# KiCad board board_delta.kicad_pcb (continued)
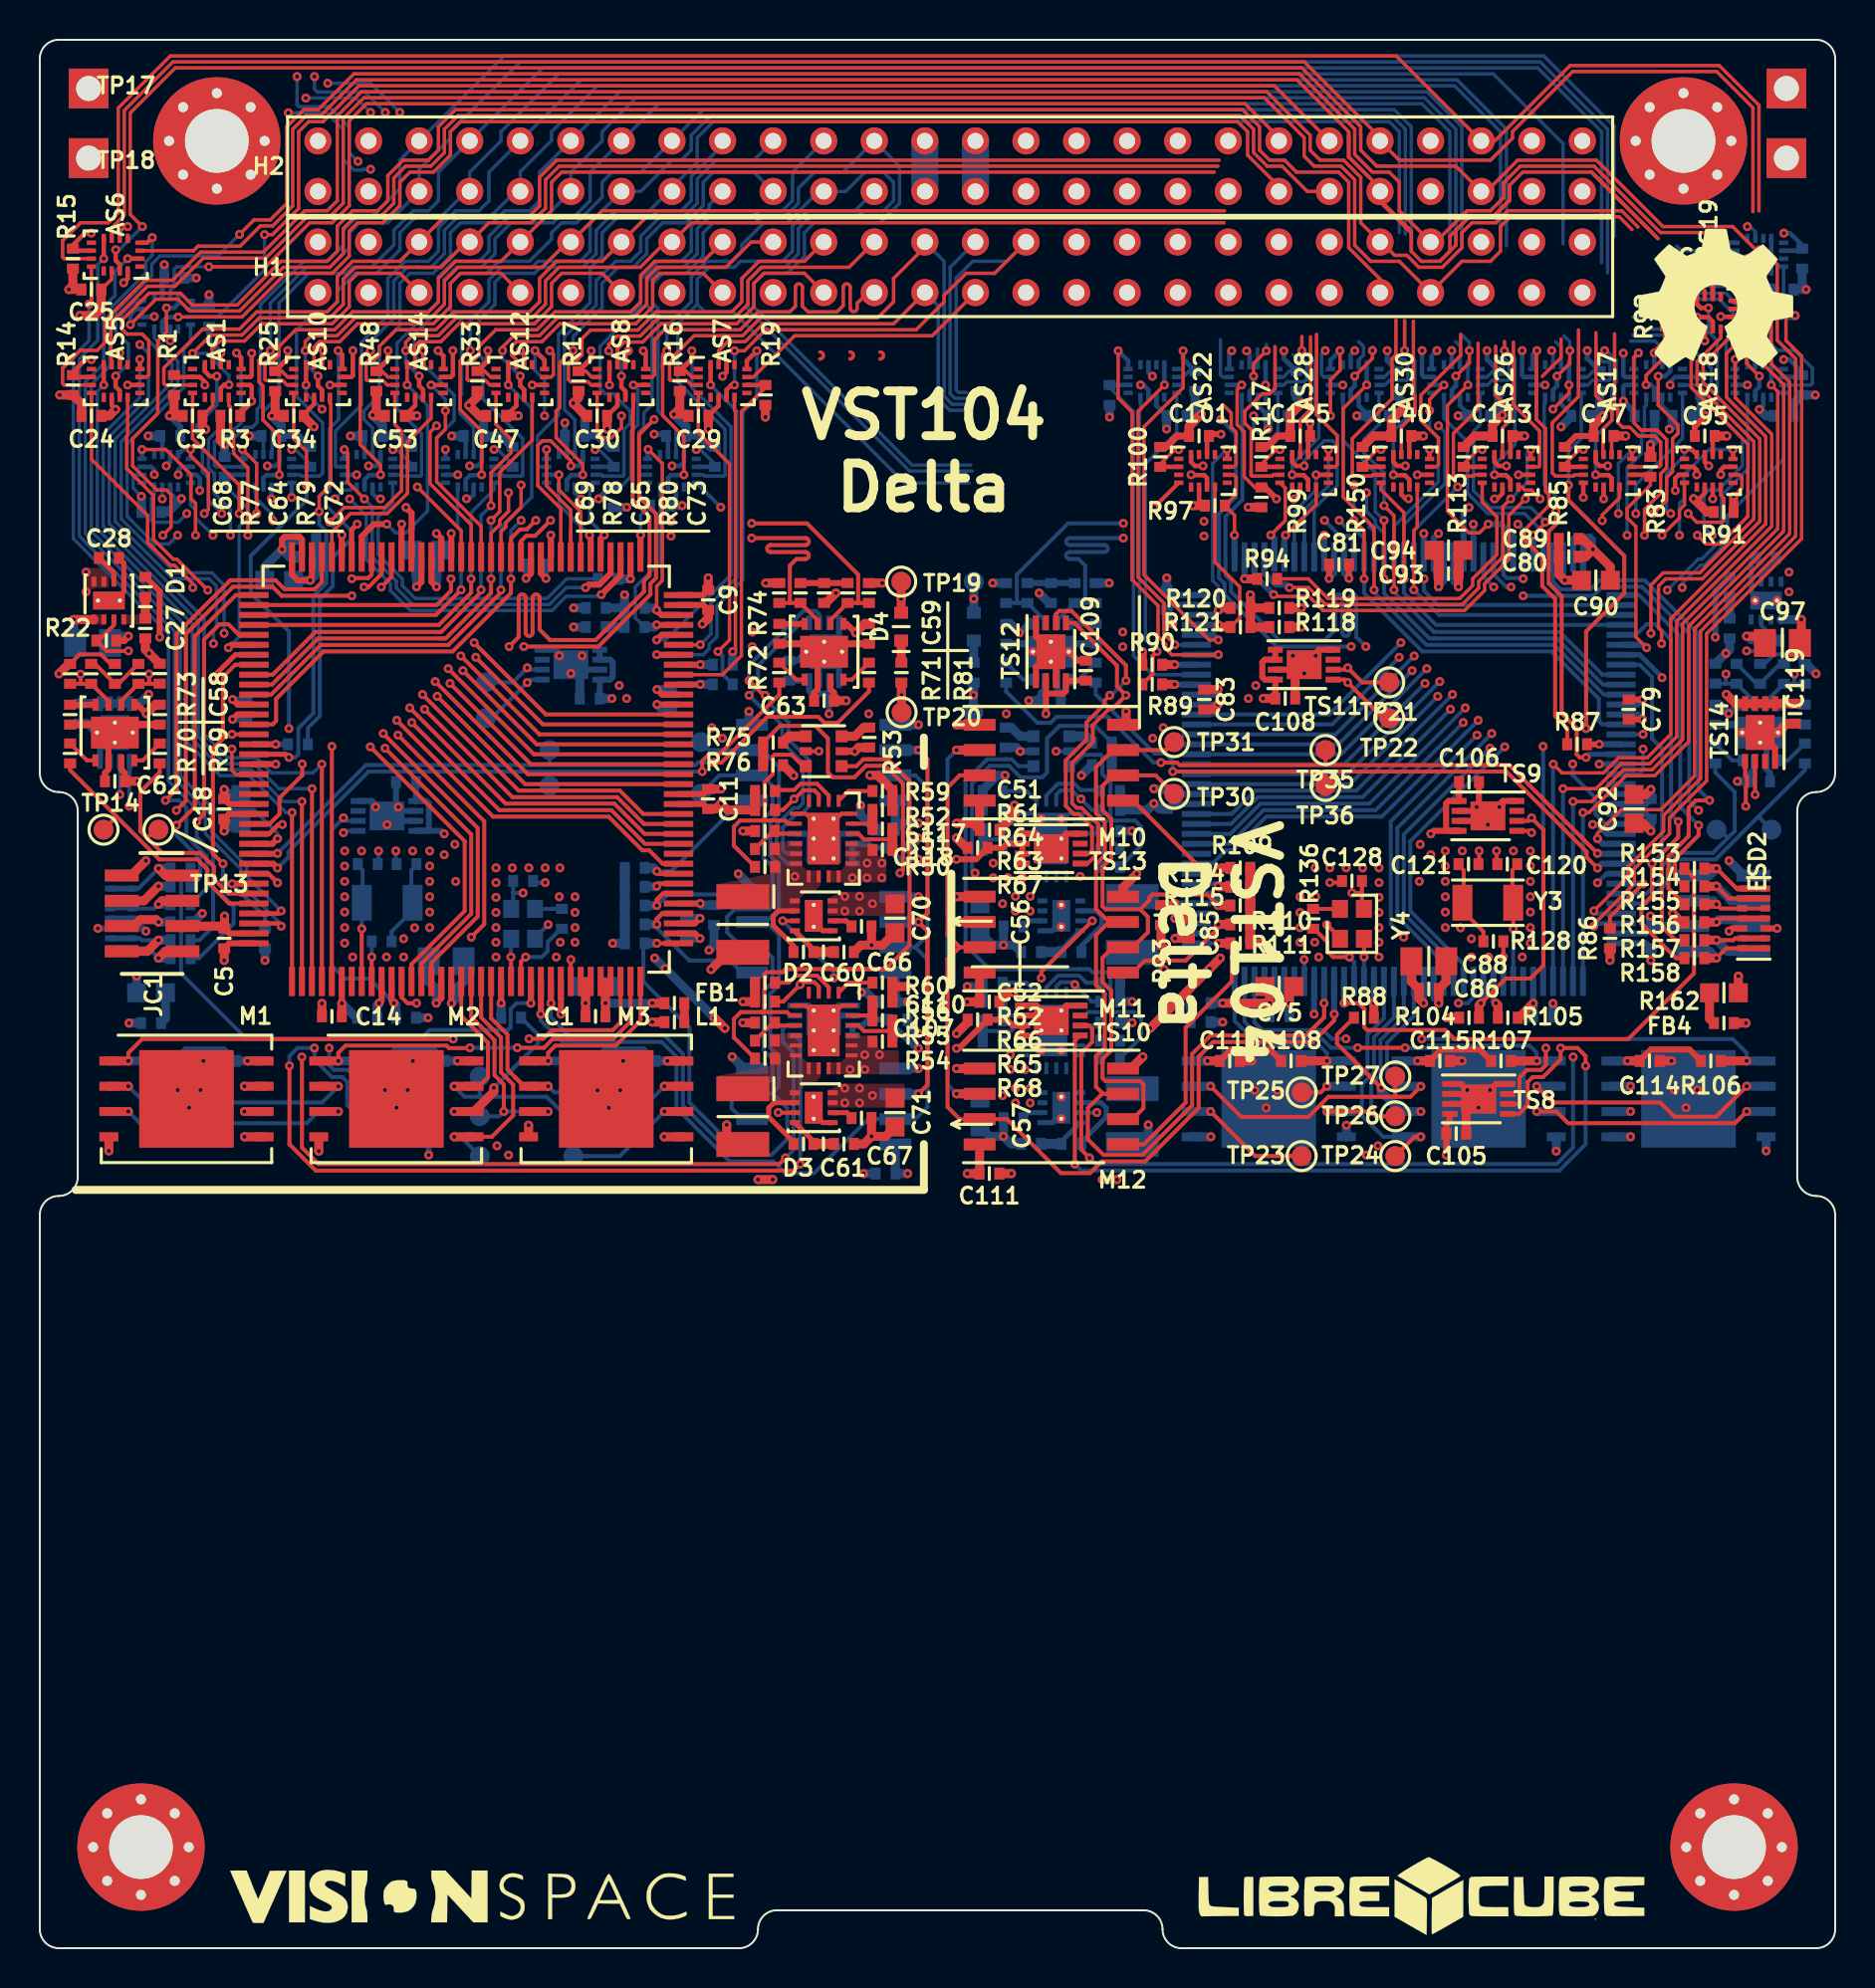
[diagram p0: board, top side]
## Routing (per net, layer and track width the routed paths; a pad name or vN(x,y) marks a point on that pad's centre or on a via; arc(x,y) is an arc through that point) (continued)
  Bottom w0.5: C20.1 19.92,70.02 C21.1 ; R131.2 R141.1 ; R135.2 R142.1 ; R143.1 C129.2 ; C130.2 R144.1
  vias: v1(6.93,43.12) v1(7.5,42.23) v1(8.07,43.12) v1(15.31,55.13) v1(15.31,54.37) v1(15.31,53.6) v1(15.31,52.06) v1(15.31,51.28) v1(15.31,50.5) v1(15.71,49.8) v1(16.16,55.13) v1(16.86,57.34) v1(17.44,56.45) v1(17.41,49.8) v1(17.91,42.23) v1(18.01,57.34) v1(18.27,50.72) v1(18.27,49.8) v1(18.73,55.13) v1(19.58,55.13) v1(19.58,54.37) v1(19.58,52.83) v1(19.58,52.06) v1(19.58,51.28) v1(22.91,54.28) v1(22.91,53.54) v1(22.91,52.8) v1(22.91,52.04) v1(22.91,51.28) v1(22.91,50.54) v1(22.91,49.8) v1(23.73,54.28) v1(24.56,54.28) v1(25.94,49.8) v1(26.09,64.94) v1(26.14,50.54) v1(26.67,64.05) v1(26.88,52.83) v1(26.88,52.04) v1(26.88,51.28) v1(26.88,50.54) v1(27.24,64.94) v1(28.01,43.11) v1(28.58,42.22) v1(29.15,43.11) v1(61.02,43.11) v1(61.59,42.22) v1(62.16,43.11) v1(62.93,64.94) v1(63.29,52.83) v1(63.29,52.04) v1(63.29,51.28) v1(63.29,50.54) v1(63.5,64.05) v1(64.08,64.94) v1(64.03,50.54) v1(64.23,49.8) v1(65.61,54.28) v1(66.44,54.28) v1(67.26,54.28) v1(67.26,53.54) v1(67.26,52.8) v1(67.26,52.04) v1(67.26,51.28) v1(67.26,50.54) v1(67.26,49.8) v1(70.59,55.13) v1(70.59,54.37) v1(70.59,52.83) v1(70.59,52.06) v1(70.59,51.28) v1(71.44,55.13) v1(71.9,50.72) v1(71.9,49.8) v1(72.16,57.34) v1(72.26,42.23) v1(72.73,56.45) v1(72.76,49.8) v1(73.31,57.34) v1(74.01,55.13) v1(74.46,49.8) v1(74.86,55.13) v1(74.86,54.37) v1(74.86,53.6) v1(74.86,52.06) v1(74.86,51.28) v1(74.86,50.5) v1(82.1,43.12) v1(82.67,42.23) v1(83.24,43.12)
/OBC_left/BOOT: length 4
  Top w0.3: v1(9.65,53.48) 9.66,53.49 U1.138
  Bottom w0.2: R5.1 11.31,51.82 v1(9.65,53.48)
/OBC_left/CAN1_EN: length 13.7
  Top w0.2: v1(24.91,71.74) 24.46,71.29 24.12,71.29 23.67,70.84 U1.86
  Top w0.225: AS8.14 v1(29.81,78.54)
  In2.Cu w0.173: v1(28.06,72.82) 27.61,72.37 25.54,72.37 v1(24.91,71.74)
  Bottom w0.173: v1(29.81,78.54) 30.03,78.32 30.03,76.54 29.68,76.19 29.68,73.93 29.15,73.4 R20.2
  Bottom w0.3: R20.2 28.64,73.4 v1(28.06,72.82)
/OBC_left/CAN1_N: length 50.6
  Top w0.2: v1(23.57,65.4) 24.05,65.88 TRC4.1 ; TRC8.1 25.1,66.25 25.62,65.73 27.91,65.73 30.34,68.15 30.34,68.7 30.62,68.98 30.62,71.93 29.77,72.78 29.77,76.19 AS8.12 ; TRC6.1 TRC8.1 ; TRC4.1 TRC6.1 ; v1(5.48,64.02) 5.49,64.01 5.49,63.53 ; 5.49,63.53 R79.1 4.1,62.68 U2.6 ; 5.49,63.53 6.01,63.53 C72.2
  In2.Cu w0.2: v1(5.48,64.02) 5.58,64.02 7.46,62.14 7.46,61.77 10.19,59.04 17.49,59.04 23.33,64.89 23.33,65.16 v1(23.57,65.4)
/OBC_left/CAN1_P: length 52.2
  Top w0.2: C68.2 2.05,63.53 ; 2.05,63.53 R77.1 3.45,62.67 U2.7 ; 2.05,63.53 2.05,64.01 v1(2.05,64.01) ; v1(30.85,76.81) 30.1,76.06 30.1,72.91 30.95,72.06 30.95,68.84 30.67,68.56 30.67,68.02 28.05,65.4 v1(24.31,65.4)
  Top w0.225: AS8.16 30.43,80.14 v1(30.31,80.26)
  In2.Cu w0.173: v1(30.31,80.26) 30.85,79.72 30.85,76.73 v1(30.85,76.81)
  In2.Cu w0.2: v1(2.05,64.01) 2.49,63.57 5.57,63.57 7.13,62.01 7.13,61.64 10.06,58.71 17.62,58.71 v1(24.31,65.4)
/OBC_left/CAN1_RX: length 12
  Top w0.2: U1.139 9.47,52.99 8.75,53.71 8.75,54.33 8.05,55.03 6.14,55.03 5.39,55.79 ; 5.39,55.79 5.05,56.13 5.05,58.1 6.02,59.07 R69.2 5.97,59.53 ; 5.39,55.79 5.8,56.2 TP13.1
/OBC_left/CAN1_TX: length 13.6
  Top w0.2: TP14.1 3.86,56.86 ; 3.86,56.86 6.01,54.7 7.92,54.7 8.42,54.2 8.42,53.58 9.51,52.49 U1.140 ; 3.86,56.86 1.52,59.19 R70.2
/OBC_left/CAN2_EN: length 12.5
  Top w0.3: v1(25.66,71) 25.67,70.99 U1.82
  In2.Cu w0.173: v1(32.97,75.29) 31.61,75.29 27.75,71.44 26.1,71.44 v1(25.66,71)
  Bottom w0.173: v1(32.97,75.29) 33.18,75.29 33.9,74.57 R21.1
  Bottom w0.225: AS9.14 R21.1
/OBC_left/CAN2_N: length 17.1
  Top w0.2: R80.1 C73.2 ; R80.1 41.07,67.59 41.1,67.62 41.1,69.02 38.53,71.59 v1(35.75,71.59) ; R80.1 39.72,66.74 U3.6
  In2.Cu w0.2: v1(35.75,71.59) 32.86,74.48 31.76,74.48 v1(31.75,74.48)
  Bottom w0.225: v1(31.75,74.48) 32.15,74.48 32.35,74.67 AS9.12
/OBC_left/CAN2_P: length 15.4
  Top w0.2: 37.67,67.6 37.67,69.47 38,69.8 TRC7.1 ; C69.2 R78.1 39.07,66.73 39.07,66.54 ; TRC5.1 TRC9.1 ; v1(35.75,70.85) TRC5.1 ; TRC9.1 TRC7.1
  In2.Cu w0.2: v1(35.75,70.85) 35.75,70.85 v1(34.2,72.4)
  Bottom w0.2: AS9.16 32.97,73.63 v1(34.2,72.4)
/OBC_left/CAN2_RX: length 35.7
  Top w0.2: v1(33.86,59.57) 34.24,59.57 36.54,61.87 39.1,61.87 39.4,61.57 40.07,61.57 41.64,63.14 R71.2
  Top w0.3: U1.135 11.92,54.99 v1(11.94,55.01)
  Bottom w0.2: v1(33.86,59.57) 33.05,59.57 32.93,59.44 16.37,59.44 v1(11.94,55.01) ; TP15.1 25.6,59.49
/OBC_left/CAN2_TX: length 31.8
  Top w0.2: v1(33.27,59.12) 33.27,59.65 33.64,60.02 34.17,60.02 37.14,62.99 R72.2
  Top w0.3: v1(11.94,54.27) 11.72,54.49 U1.136
  Bottom w0.2: TP16.1 25.6,59.03 ; v1(33.27,59.12) 16.51,59.12 12.48,55.09 12.48,54.81 v1(11.94,54.27)
/OBC_left/CL: length 44.4
  Top w0.2: 44.58,43.38 44.58,50.87 ; 44.58,43.38 v1(44.13,42.93) ; 44.58,43.38 44.58,51.11 ; 44.58,50.87 44.58,51.11 ; 44.58,50.87 44.58,51.1 44.12,51.56 44.58,52.02 44.58,52.18 ; 44.58,51.11 v1(44.13,51.56) 44.58,52.01 ; 44.58,52.96 44.58,59.75 v1(44.13,60.2) ; 44.58,52.96 44.58,52.18 ; 44.58,52.96 44.58,52.01 ; 44.58,52.18 44.58,52.01
  In2.Cu w0.2: v1(44.13,51.56) 43.42,50.85 41.12,50.85 40.77,50.5 33.97,50.5 v1(33.61,50.14)
  Bottom w0.2: 33.87,51.4 R12.1 ; 44.12,51.56 44.12,51.56
  Bottom w0.45: v1(44.13,60.2) 44.13,60.2 M4.6 ; M6.6 44.13,42.93 v1(44.13,42.93) ; M5.6 42.97,51.56 v1(44.13,51.56) ; R12.1 33.86,50.39 v1(33.61,50.14)
/OBC_left/CLK: length 39.6
  Top w0.45: M3.6 31.37,42.04 v1(31.37,42.04) ; M1.6 10.28,42.04 v1(10.28,42.04) ; v1(20.81,42.04) 20.82,42.04 M2.6 22.8,43.03 v1(22.8,43.23)
  In2.Cu w0.2: v1(10.28,42.04) 10.73,42.49 15.21,42.49 15.92,41.78 20.55,41.78 v1(20.81,42.04) 21.26,42.49 25.74,42.49 26.46,41.77 31.1,41.77 v1(31.37,42.04)
  Bottom w0.2: 24.43,44.86 v1(22.8,43.23) 25.02,45.45 25.02,45.9 R7.2 ; TP3.1 27.48,39.8 ; 27.48,39.8 27.35,39.8 ; 27.48,39.8 29.13,39.8 v1(31.37,42.04)
/OBC_left/CPU_EN: length 18.6
  Top w0.173: R19.1 36.44,78.41 35.24,77.21 35.24,64.94 34.29,63.99 U1.64
  Top w0.225: R19.1 AS7.14
/OBC_left/EF1_CUR: length 19.8
  Top w0.2: U1.29 26.67,49.67 v1(26.67,49.67) ; EF1.19 39.12,57.96 38.9,58.18 38.34,58.18 37.9,57.74 v1(37.88,57.74) 37.33,57.19 R61.2
  In2.Cu w0.2: v1(26.67,49.67) 27.28,49.67 29.1,51.48 29.1,53.49 31.25,55.64 35.78,55.64 v1(37.88,57.74)
/OBC_left/EF1_en: length 11.1
  Top w0.2: 36.43,56.66 36.4,56.69 36.4,58.58 36.81,58.99 36.81,59.87 36.9,59.96 37.76,59.96 38.33,59.39 LG1.6 ; 36.43,56.66 37.43,56.66 37.58,56.5 EF1.2 ; 36.43,56.66 35.17,56.66 34.86,56.35 34.86,55.39 R67.2
/OBC_left/EF1_out: length 10.9
  Top w0.2: LG1.5 v1(39.13,60.14)
  Top w0.25: Q2.2 37.1,52.12 36.83,51.85 36.83,51.39 37.85,50.37 D2.2
  In2.Cu w0.2: v1(39.13,60.14) 38.33,59.34 38.33,54.26 v1(37.92,53.85)
/OBC_left/EF2_CUR: length 17.3
  Top w0.2: EF2.19 39.12,48.32 38.9,48.54 38.31,48.54 v1(38.18,48.41) 37.34,47.57 37.34,47.56 R62.2
  Top w0.3: U1.28 26.17,47.73 26.17,47.72 26.17,46.93 v1(26.17,46.93)
  In2.Cu w0.2: v1(26.17,46.93) 26.19,46.93 27.67,48.41 v1(38.18,48.41)
/OBC_left/EF2_en: length 30.8
  Top w0.2: 41.54,59.73 41.76,59.73 ; 41.76,59.73 42.59,59.73 43.68,58.65 43.68,50.39 42.48,49.2 ; 41.76,59.73 41.36,59.73 41.01,59.39 LG1.1 ; 36.24,47.03 37.53,47.03 37.7,46.86 EF2.2 ; 36.24,47.03 36.35,47.03 36.4,47.08 36.4,47.36 36.4,48.95 36.49,49.04 37.3,49.04 37.45,49.19 37.98,49.19 37.99,49.2 42.48,49.2 ; 36.24,47.03 35.2,47.03 34.86,46.69 34.86,45.76 R68.2 ; 42.48,49.2 39.84,49.2
/OBC_left/EF2_out: length 3.7
  Top w0.25: Q3.2 36.87,42.48 36.61,42.22 36.61,41.76 37.85,40.51 D3.2
/OBC_left/FAULT: length 15.8
  Top w0.173: v1(34.06,65.15) 34.64,65.73 34.64,74.58 33.07,76.15 AS7.8
  Bottom w0.2: v1(34.06,65.15) 34.28,64.93 34.28,64.02 R8.2
/OBC_left/GLO_EN: length 20.7
  Top w0.173: R16.1 32.45,79.24 32.75,78.94 AS7.6
  Top w0.25: v1(32.75,80.26) 32.75,79.85 R16.1
  Top w0.3: v1(30.98,65.73) 31.24,65.99 U1.68
  Bottom w0.173: v1(32.75,80.26) 32.75,78.41 34.71,76.44 34.71,69.01 31.44,65.73 v1(30.98,65.73)
/OBC_left/HD: length 48.8
  Top w0.2: 25.17,47.5 U1.26
  Top w0.3: U1.26 25.17,46.94 v1(25.16,46.93)
  Bottom w0.2: M4.7 43.97,58.93 44.58,58.32 44.58,50.9 43.97,50.29 ; 43.97,50.29 M5.7 ; 43.97,50.29 44.57,50.89 ; 43.97,50.29 44.58,49.68 44.58,42.27 43.97,41.66 M6.7 41.6,41.66 38.89,38.95 37.42,38.95 36.84,39.53 34.65,39.53 31.97,42.21 31.97,44.8 31.23,45.53 26.24,45.53 25.16,46.61 v1(25.16,46.93)
/OBC_left/I2C2_EN: length 11.5
  Top w0.2: Q1.3 3.72,66.48 2.94,65.7 R22.1 3.37,65.17 4.27,65.17 4.28,65.18 v1(4.45,65.18) 4.35,65.18 ; U1.123 10.75,60.99 v1(9.65,60.99)
  In2.Cu w0.2: v1(9.65,60.99) 9.18,60.99 5.7,64.47 5.16,64.47 v1(4.45,65.18)
/OBC_left/I2C2_SCL: length 126
  Top w0.2: v1(36.43,62.95) 36.36,62.95 v1(35.62,63.69) ; v1(37.45,39.71) 37.14,39.4 13.99,39.4 13.17,40.22 13.17,44.77 v1(13.16,44.78)
  Top w0.3: v1(17.79,47.48) 17.67,47.6 U1.11
  In2.Cu w0.2: v1(15.25,56.79) 15.25,56.85 16.51,58.12 18.54,58.12 24.03,63.6 24.03,63.81 24.48,64.26 v1(24.48,64.33) 26.16,64.33 26.33,64.5 26.89,64.5 27.12,64.27 31.1,64.27 32.32,63.05 34.98,63.05 v1(35.62,63.69) ; v1(17.79,47.48) 15.54,45.23 v1(14.53,45.23) 14.08,44.77 13.16,44.77 v1(13.16,44.78) 13.15,44.78 11.14,44.78 7.38,48.54 7.38,53.5 4.02,56.86 v1(4.02,57.96)
  Bottom w0.19: v1(36.43,62.95) 36.69,62.69 36.69,62.51 37.6,61.59 37.6,60.73 38.64,59.68 38.64,57.39 38.23,56.98 37.98,56.98 37.32,56.32 37.32,55.17 37.5,55 TS6.2
  Bottom w0.2: v1(35.62,63.69) 35.62,64.45 38.36,67.19 38.97,67.19 39.14,67.02 TS5.2 ; TP1.1 23.75,63.6 v1(24.48,64.33) 24.57,64.24 TS4.2 ; v1(17.79,47.48) 16.55,48.72 15.31,48.72 14.65,49.38 14.65,56.19 v1(15.25,56.79) 15.4,56.64 TS2.2 ; v1(4.02,57.96) TS7.2 ; v1(14.53,45.23) 14.53,44.37 14.78,44.13 15.48,44.13 15.85,43.75 15.85,42.45 15.88,42.42 TS1.2 ; TS3.2 37.49,46.36 37.32,46.19 37.32,45.53 37.86,44.98 37.86,40.12 v1(37.45,39.71)
  Bottom w0.45: R23.2 17.89,47.38 v1(17.79,47.48)
/OBC_left/I2C2_SDA: length 125.8
  Top w0.2: v1(38.19,39.4) 37.86,39.07 13.86,39.07 12.54,40.39 v1(12.54,44.33)
  Top w0.3: U1.10 17.17,47.61 v1(17.04,47.48)
  In2.Cu w0.2: v1(4.49,57.38) 4.49,57.13 7.71,53.91 7.71,48.68 11.16,45.23 13.79,45.23 v1(13.79,45.23) 14.24,45.68 15.24,45.68 v1(17.04,47.48) 15.8,48.72 15.32,48.72 14.65,49.39 14.65,55.65 15.05,56.05 v1(15.25,56.05) 15.8,56.6 15.8,56.94 16.65,57.79 18.68,57.79 v1(24.48,63.59) 26.88,63.59 27.18,63.89 31.02,63.89 32.19,62.72 35.39,62.72 v1(35.62,62.95)
  Bottom w0.19: v1(35.62,62.95) 36.28,62.29 ; 36.28,62.29 36.05,62.52 ; 36.28,62.29 36.44,62.29 37.28,61.45 37.28,60.6 38.33,59.55 38.33,57.53 38.09,57.29 37.85,57.29 37.01,56.45 37.01,55.04 37.55,54.5 TS6.1
  Bottom w0.2: v1(4.49,57.38) 4.49,58.33 4.43,58.39 4.43,58.85 4.52,58.94 TS7.1 ; TS5.1 38.22,66.59 36.07,64.44 36.07,63.4 v1(35.62,62.95) 36.05,62.52 ; TP2.1 22.69,61.8 v1(24.48,63.59) 24.63,63.74 TS4.1 ; v1(15.25,56.05) 15.34,56.14 TS2.1 ; TS1.1 15.88,41.92 15.44,42.36 15.44,43.52 15.19,43.77 14.67,43.77 13.79,44.65 v1(13.79,45.23) 13.8,45.23 12.94,45.23 12.54,44.82 v1(12.54,44.33) ; v1(38.19,39.4) 38.19,45.59 TS3.1
  Bottom w0.45: v1(17.04,47.48) 16.94,47.38 R24.2
/OBC_left/I2C3_EN: length 18.8
  Top w0.173: R17.1 27.42,79.24 27.72,78.94 AS8.6
  Top w0.2: U1.85 24.17,70.7 24.43,70.96 24.87,70.96 v1(25.65,71.74)
  Top w0.25: v1(27.69,80.26) 27.69,79.87 R17.1
  In2.Cu w0.173: v1(27.69,80.26) 28.13,79.82 29.6,79.82 30.55,78.87 30.55,77.9 29.68,77.04 29.68,73.79 27.63,71.74 v1(25.65,71.74)
/OBC_left/I2C3_SCL: length 22.2
  Top w0.225: AS8.4 v1(28.61,78.54)
  Top w0.3: v1(20.66,71.08) 20.67,71.07 U1.92
  In2.Cu w0.173: 23.4,71.41 23.8,71 24.31,71 26.16,69.15 26.16,67.99 v1(26.81,67.34) ; 23.4,71.41 22.99,71 20.74,71 v1(20.66,71.08) ; 23.4,71.41 23.4,71.68 24.91,73.19 24.91,77.2 26.25,78.54 v1(28.61,78.54)
  Bottom w0.45: R38.2 v1(26.81,67.34)
/OBC_left/I2C3_SDA: length 34.8
  Top w0.173: v1(29.21,76.99) 29.21,76.4 28.7,75.89 28.28,75.89 27.99,76.18 AS8.8
  Top w0.3: U1.93 20.17,70.83 v1(19.92,71.08)
  In2.Cu w0.173: v1(29.21,76.99) 30.25,78.03 30.25,78.75 29.57,79.42 26.71,79.42 24.61,77.32 24.61,73.31 23.1,71.8 23.1,71.53 22.87,71.3 21.09,71.3 20.87,71.52 20.36,71.52 v1(19.92,71.08) 20.36,70.64 24.25,70.64 25.86,69.03 25.86,67.33 v1(26.81,66.38)
  Bottom w0.45: R37.2 v1(26.81,66.38)
/OBC_left/I2C4_EN: length 4.9
  Top w0.3: U1.73 30.17,71 v1(30.17,71)
  Bottom w0.173: v1(30.17,71) 30.17,72 R18.1 30.09,73.04 30.09,73.91 30.2,74.03 AS9.6
/OBC_left/I2C4_SCL: length 9.5
  Top w0.3: U1.69 30.98,66.49 v1(30.98,66.49)
  Bottom w0.173: R40.2 29.91,66.84 29.91,68.4 31.15,69.64 AS9.4
  Bottom w0.45: R40.2 30.87,66.38 v1(30.98,66.49)
/OBC_left/I2C4_SDA: length 10.8
  Top w0.173: v1(30.55,75.31) 31.26,74.6 31.26,68.71 30.98,68.43 v1(30.98,67.23)
  Top w0.3: v1(30.98,67.23) 31.22,66.99 U1.70
  Bottom w0.225: AS9.8 30.53,75.29 v1(30.55,75.31)
  Bottom w0.45: R39.2 30.87,67.34 v1(30.98,67.23)
/OBC_left/MODE: length 13.5
  Top w0.173: v1(34.8,65.15) 34.94,65.29 34.94,77.22 34.89,77.27 AS7.12
  Bottom w0.45: R9.2 v1(34.8,65.15)
/OBC_left/NRST: length 26.8
  Top w0.3: v1(24.66,47.48) 24.67,47.49 U1.25
  Bottom w0.2: R41.2 7.09,53.77 7.09,48.98 10.4,45.68 19.12,45.68 19.58,46.13 23.51,46.13 23.65,46.27 23.65,47.19 23.94,47.48 v1(24.66,47.48)
/OBC_left/OSC32_IN: length 6
  Top w0.2: v1(16.17,51.22) 16.17,51.22 U1.8
  Bottom w0.2: C49.1 15.97,54.41 16.21,54.17 16.21,52.57 Y1.1 v1(16.17,51.22)
/OBC_left/OSC32_OUT: length 2
  Top w0.2: U1.9 16.67,49.8 v1(16.67,49.8)
  Bottom w0.2: R47.2 16.67,49.8 v1(16.67,49.8)
/OBC_left/OSC_EN: length 4
  Top w0.2: v1(24.4,49.8) 24.17,49.57 U1.24
  Bottom w0.2: R57.1 26.17,51.22 25.5,50.55 25.5,50.1 25.21,49.8 v1(24.4,49.8)
/OBC_left/OSC_IN: length 2.2
  Top w0.2: v1(23.66,49.8) 23.67,49.79 U1.23
  Bottom w0.2: Y2.3 23.66,50.71 v1(23.66,49.8) 23.67,49.81
/OBC_left/Q0: length 35.8
  Top w0.2: M2.5 22.7,40.77 23.77,41.84 23.77,43.39 23.16,44 23.16,45.76 22.17,46.76 U1.20
  Top w0.45: v1(31.36,40.77) 31.36,40.77 M3.5 ; M2.5 20.82,40.77 v1(20.81,40.77) ; v1(10.28,40.77) 10.28,40.77 M1.5
  In2.Cu w0.2: v1(10.28,40.77) 21.07,40.77 ; v1(20.81,40.77) v1(31.36,40.77)
  Bottom w0.2: 21.13,40.77 21.12,40.77 ; 21.13,40.77 TP4.1 ; 21.13,40.77 v1(20.81,40.77)
/OBC_left/Q1: length 34
  Top w0.2: U1.21 22.67,46.72 23.49,45.9 23.49,45.46 ; 23.49,45.39 23.49,44.14 23.84,43.78 ; 23.84,43.78 24.32,43.31 ; 23.84,43.78 24.32,43.31 ; 24.32,43.31 M3.2
  Top w0.45: M3.2 25.52,43.31 v1(25.53,43.31) ; M1.2 4.44,43.31 v1(4.45,43.31) ; M2.2 14.98,43.31 v1(14.99,43.3)
  In2.Cu w0.2: v1(14.99,43.3) 15.59,43.9 24.94,43.9 v1(25.53,43.31)
  Bottom w0.2: v1(4.45,43.31) 5.98,41.78 8.08,41.78 8.79,42.49 14.18,42.49 v1(14.99,43.3) ; v1(25.53,43.31) 25.84,43 TP5.1
/OBC_left/Q2: length 33.8
  Top w0.2: U1.19 21.67,46.8 22.84,45.63 22.84,43.86 23.3,43.4 v1(23.3,42.04)
  Top w0.45: M3.3 v1(25.52,42.04) ; v1(4.45,42.04) 4.44,42.04 M1.3 ; M2.3 14.99,42.04 v1(14.99,42.04)
  In2.Cu w0.2: v1(14.99,42.04) 15.58,41.45 22.72,41.45 v1(23.3,42.04)
  Bottom w0.2: v1(25.52,42.04) 25.21,42.04 ; 25.46,42.04 v1(23.3,42.04) 23.06,41.8 TP6.1 ; v1(14.99,42.04) 14,42.04 13.41,41.45 5.04,41.45 v1(4.45,42.04)
/OBC_left/Q3: length 33.2
  Top w0.2: U1.18 21.17,46.83 22.51,45.49 22.51,43.76 22.06,43.31 M2.7
  Top w0.45: M3.7 31.37,43.31 v1(31.37,43.31) ; v1(20.81,43.3) 20.82,43.31 M2.7 ; M1.7 10.28,43.31 v1(10.28,43.31)
  In2.Cu w0.2: v1(10.28,43.31) 10.74,42.85 15.36,42.85 16.08,43.57 20.54,43.57 v1(20.81,43.3)
  Bottom w0.2: v1(20.81,43.3) 21.33,42.78 22.07,42.78 ; 22.07,42.78 22.09,42.8 TP7.1 ; 22.07,42.78 25.45,42.78 26.46,41.77 29.83,41.77 v1(31.37,43.31)
/OBC_left/QSPI_CS1: length 34
  Top w0.2: v1(24.57,45.69) 25.28,45.69 25.72,46.13 28.77,46.13 29.17,46.52 U1.34 ; 24.69,45.7 24.66,45.67 ; v1(20.76,45.68) 5.14,45.68 4.45,44.99 v1(4.45,44.58)
  Top w0.45: M1.1 4.44,44.58 v1(4.45,44.58)
  In2.Cu w0.2: 20.77,45.69 v1(24.57,45.69) 20.77,45.69 ; 20.77,45.69 v1(20.76,45.68) 20.77,45.69
  Bottom w0.45: R27.2 v1(4.45,44.58)
/OBC_left/QSPI_CS2: length 20.1
  Top w0.2: v1(23.98,45.24) 25.32,45.24 25.76,45.68 26.22,45.68 28.78,45.68 29.67,46.56 U1.35 ; v1(14.99,44.58) 14.99,44.99 15.35,45.35 20.42,45.35 20.55,45.23 21.59,45.23 v1(21.6,45.24)
  Top w0.45: M2.1 14.99,44.58 v1(14.99,44.58)
  Bottom w0.2: v1(23.98,45.24) v1(21.6,45.24)
  Bottom w0.45: R28.2 v1(14.99,44.58)
/OBC_left/QSPI_CS3: length 10
  Top w0.2: v1(25.53,44.58) 25.53,44.99 25.89,45.35 28.92,45.35 30.17,46.6 U1.36
  Top w0.45: M3.1 25.52,44.58 v1(25.53,44.58)
  Bottom w0.45: R29.2 v1(25.53,44.58)
/OBC_left/SI: length 39.1
  Top w0.225: U1.43 31.11,53.49 v1(30.99,53.36)
  In2.Cu w0.2: v1(30.99,53.36) 30.99,53.05 32.74,51.29 33.54,51.29 33.97,50.87 40.68,50.87 40.99,51.18 42.48,51.18 v1(44.13,52.83) ; v1(44.13,52.83) 44.58,52.38 44.58,44.65 v1(44.13,44.2) ; v1(44.13,52.83) 44.58,53.28 44.58,61.02 v1(44.13,61.47)
  Bottom w0.3: M5.5 43.62,52.83
  Bottom w0.45: v1(44.13,44.2) 44.13,44.2 M6.5 ; M5.5 44.13,52.83 v1(44.13,52.83) ; R35.2 30.95,53.33 v1(30.99,53.36) ; v1(44.13,61.47) 44.13,61.47 M4.5
/OBC_left/SO: length 35.4
  Top w0.225: v1(30.99,52.39) 30.99,52.68 31.3,52.99 U1.42
  Bottom w0.2: 34.9,52.2 34.45,52.65 34.45,52.78 34.29,52.94 31.54,52.94 v1(30.99,52.39) ; 34.9,52.2 34.52,51.82 34.52,51.04 35.27,50.29 M5.2 ; 34.9,52.2 36.65,52.2 36.8,52.35 36.8,54.33 36.36,54.77 36.36,56.74 36.8,57.18 36.8,58.4 36.27,58.93 M4.2 ; M4.2 34.13,58.93 TP10.1 ; M4.2 36.27,58.93 ; M5.2 36.27,50.29 36.8,49.76 36.8,48.54 36.36,48.1 36.36,45.12 36.8,44.68 36.8,43.71 36.65,43.57 34.91,43.57 34.74,43.41 34.74,42.21 35.29,41.66 M6.2 ; M5.2 36.27,50.29
  Bottom w0.45: R36.2 v1(30.99,52.39)
/OBC_left/SPI1_CS1: length 8.1
  Top w0.225: U1.44 31.11,53.99 v1(30.99,54.11)
  Bottom w0.2: M4.1 35.26,57.66 31.71,54.11 v1(30.99,54.11)
  Bottom w0.45: v1(30.99,54.11) 30.82,54.28 R30.2
/OBC_left/SPI1_CS2: length 8
  Top w0.225: v1(30.99,51.44) 30.99,51.72 31.26,51.99 U1.40
  Bottom w0.2: R31.2 30.43,51.44 ; v1(30.99,51.44) 30.99,51.25 32.62,49.62 34.67,49.62 35.27,49.02 M5.1
  Bottom w0.45: R31.2 v1(30.99,51.44)
/OBC_left/SPI1_CS3: length 15.2
  Top w0.2: U1.37 30.99,50.49 v1(30.99,50.49)
  Bottom w0.2: 35.26,40.39 M6.1 34.72,40.39 32.62,42.49 32.62,46.26 30.31,48.57 30.31,50.42 R32.2
  Bottom w0.45: R32.2 v1(30.99,50.49)
/OBC_left/SPI1_~{WP}: length 47.5
  Top w0.3: v1(25.67,47.48) 25.67,47.48 U1.27
  Bottom w0.173: v1(25.67,47.48) 25.67,46.78 26.45,46
  Bottom w0.2: TP11.1 33.6,60.2 M4.3 36.27,60.2 37.12,59.35 37.12,57.03 36.68,56.59 36.68,54.9 37.12,54.46 37.12,52.21 36.47,51.56 M5.3 36.47,51.56 37.12,50.91 37.12,48.39 36.68,47.95 36.68,45.25 37.12,44.82 37.12,44.82 37.12,43.28 36.77,42.93 ; v1(25.67,47.48) 25.67,46.76 26.57,45.86 31.37,45.86 32.3,44.93 32.3,42.35 34.79,39.86 36.75,39.86 37.54,40.64 37.54,42.21 36.82,42.93 36.77,42.93 ; M6.3 36.77,42.93
/OBC_left/SPI2_CS1: length 7.7
  Top w0.3: v1(18.39,72.39) 18.67,72.11 18.67,71.31 18.67,71.3 U1.96
  In2.Cu w0.173: v1(14.82,72.82) 15.26,72.38 18.39,72.38 v1(18.39,72.39)
  Bottom w0.173: v1(14.82,72.82) 15.26,73.26 15.58,73.26 15.73,73.41 AS11.4
/OBC_left/SPI2_CS2: length 26.5
  Top w0.2: v1(21.81,65.6) 21.84,65.57 21.84,65.56 25.41,61.99 U1.60
  In2.Cu w0.173: v1(21.81,65.6) 19.9,67.51 16.65,67.51 ; 16.65,67.51 15.46,67.51 15.11,67.86 15.11,69.59 12.65,72.05 v1(12.65,72.89) 12.65,72.87 ; 16.65,67.51 16.35,67.51
  Bottom w0.225: AS2.16 12.65,72.89 v1(12.65,72.89)
/OBC_left/SPI2_EN: length 12.4
  Top w0.173: v1(18.96,73.42) 21.17,71.21 U1.91
  In2.Cu w0.173: v1(15.91,74.03) 15.91,74.52 16.68,75.29 v1(17.73,75.29) 18.96,74.06 v1(18.96,73.42)
  Bottom w0.173: R26.1 18.66,74.57 17.94,75.29 v1(17.73,75.29)
  Bottom w0.225: AS11.14 R26.1 ; AS11.6 v1(15.91,74.03)
/OBC_left/SPI2_MISO: length 22.2
  Top w0.3: U1.75 29.17,68.98 v1(28.2,68.01)
  In2.Cu w0.173: v1(16.51,74.48) 16.51,73.77 v1(15.56,72.82)
  Bottom w0.173: v1(28.2,68.01) 28.11,67.92 26.43,67.92 25.72,67.21 18.61,67.21 17.61,68.22 17.61,68.56 16.39,69.77 16.39,71.99 v1(15.56,72.82)
  Bottom w0.225: AS11.12 17.11,74.67 16.91,74.48 v1(16.51,74.48)
/OBC_left/SPI2_MOSI: length 21.1
  Top w0.173: v1(15.29,75.3) 15.47,75.12 15.47,73.65 v1(16.3,72.82)
  Top w0.3: v1(27.41,68.36) 27.56,68.51 28.1,68.51 28.67,69.08 U1.76
  Bottom w0.173: v1(16.3,72.82) 16.69,72.43 16.69,69.9 17.91,68.68 17.91,68.34 18.74,67.51 25.6,67.51 26.45,68.36 v1(27.41,68.36)
  Bottom w0.225: v1(15.29,75.3) 15.29,75.3 AS11.8
/OBC_left/SPI2_SCK: length 16.5
  Bottom w0.173: AS11.16 17.73,72.65 16.99,71.91 16.99,70.02 18.21,68.8 18.21,68.46 18.86,67.81 25.47,67.81 26.46,68.8 R13.1
/OBC_left/SPI3_CS1: length 14.7
  Top w0.225: AS10.4 v1(13.37,78.54)
  Top w0.3: v1(18.17,71.55) 18.17,71.55 U1.97
  In2.Cu w0.173: v1(18.17,71.55) 18.49,71.55 19.4,72.46 19.4,74.99 16.84,77.55 14.4,77.55 v1(14.17,77.33)
  Bottom w0.173: v1(14.17,77.33) 13.37,78.13 v1(13.37,78.54)
/OBC_left/SPI3_CS2: length 39.4
  Top w0.2: U1.54 24.51,58.99 v1(19.86,63.64)
  Top w0.225: AS1.16 10.11,79.92 v1(9.88,80.15)
  In2.Cu w0.173: v1(9.57,70.99) 9.57,70.77 14.63,65.71 17.79,65.71 v1(19.86,63.64)
  Bottom w0.17: 9.57,72.2 9.57,72.29 8.77,73.1 8.77,73.9
  Bottom w0.173: v1(9.88,80.15) 10.1,79.93 10.1,76.64 9.75,76.28 8.95,76.28 8.47,75.8 8.47,74.38 8.77,74.08 8.77,73.9 ; 9.57,72.2 v1(9.57,70.99)
/OBC_left/SPI3_EN: length 20
  Top w0.173: U1.90 21.67,71.52 19.6,73.58 19.6,76.17 v1(19.92,76.49) ; AS10.6 12.45,78.94 12.15,79.24 R25.1
  Top w0.225: AS10.14 v1(14.57,78.54)
  Top w0.25: v1(12.45,80.27) 12.45,79.87 R25.1
  In2.Cu w0.173: v1(12.45,80.27) 12.89,79.83 13.77,79.83 14.57,79.04 v1(14.57,78.54) 17.73,78.54 18.84,77.43 19.15,77.43 19.92,76.66 v1(19.92,76.49)
/OBC_left/SPI3_MISO: length 21.3
  Top w0.173: v1(14.03,72.18) 14.03,72.95 14.61,73.53 14.61,77.58 14.57,77.62 AS10.12
  Top w0.25: v1(12.51,59.83) 12.35,59.99 U1.125
  Bottom w0.2: v1(12.51,59.83) 12.83,59.83 12.98,59.98 12.98,61.29 13.74,62.04 13.74,67.93 14.39,68.58 14.39,71.18 14.03,71.54 v1(14.03,72.18)
/OBC_left/SPI3_MOSI: length 22.3
  Top w0.173: v1(13.4,73.51) 13.4,75.2 12.75,75.85 AS10.8
  Top w0.3: v1(11.85,59.49) 10.76,59.49 U1.126
  In2.Cu w0.2: v1(12.51,61.28) 12.51,60.48 11.85,59.82 v1(11.85,59.49)
  Bottom w0.2: v1(12.51,61.28) 12.51,66.16 10.59,68.07 10.59,69.95 13.4,72.76 v1(13.4,73.51) 13.41,73.5
/OBC_left/SPI3_SCK: length 28
  Top w0.225: AS10.16 15.19,80.06 v1(14.98,80.27)
  Bottom w0.173: 14.71,69.88 15.61,70.77 15.61,71.25 14.38,72.48 14.38,73.03 14.55,73.2 14.55,76.35 15.01,76.82 ; 15.01,76.82 15.01,80.24 ; 15.01,76.82 15.01,77.98 ; 15.01,80.24 15.01,77.98 ; 15.01,80.24 v1(14.98,80.27) ; 15.01,77.98 15.01,78.33
  Bottom w0.2: R6.2 13.46,61.31 14.06,61.91 14.06,67.79 14.71,68.44 14.71,69.88 15.62,70.78 15.62,71.2 15.59,71.23
/OBC_left/SW_CLK: length 17.5
  Top w0.2: v1(6.86,56.42) 7.78,57.34 7.78,65.92 9.85,67.99 U1.109
  Bottom w0.2: R42.2 8.05,53.83 8.05,54.73 6.86,55.92 v1(6.86,56.42)
/OBC_left/SW_DIO: length 25.4
  Top w0.2: v1(6.31,57.67) 6.87,58.23 6.87,66.03 9.57,68.73 11.84,68.73 12.29,68.28 13.8,68.28 14.17,68.65 U1.105 14.16,69.89
  Bottom w0.2: R43.2 8.37,53.25 8.37,54.87 7.36,55.88 7.36,57.31 7,57.67 v1(6.31,57.67)
/OBC_left/SW_O: length 12.9
  Top w0.2: U1.133 11.51,55.99 ; 11.51,55.99 11.98,56.46 v1(12.18,56.46) ; 11.51,55.99 11.92,56.4 12.21,56.5
  Top w0.225: v1(12.18,56.46) 11.99,56.46 11.52,55.99 U1.133
  In2.Cu w0.2: v1(12.18,56.46) 12.39,56.25 12.39,53.31 11.39,52.31 8.48,52.31 v1(8.16,51.99)
  Bottom w0.45: R44.2 7.72,51.55 v1(8.16,51.99)
/OBC_left/SYNC: length 16.5
  Top w0.173: U1.67 33.17,65.49 v1(33.17,65.49)
  Top w0.225: AS7.4 v1(33.69,78.54)
  Bottom w0.173: v1(33.69,78.54) 35.01,77.22 35.01,68.88 33.71,67.58 33.71,66.03 v1(33.17,65.49)
